# KiCad board FPGA_DevBoard.kicad_pcb (continued)
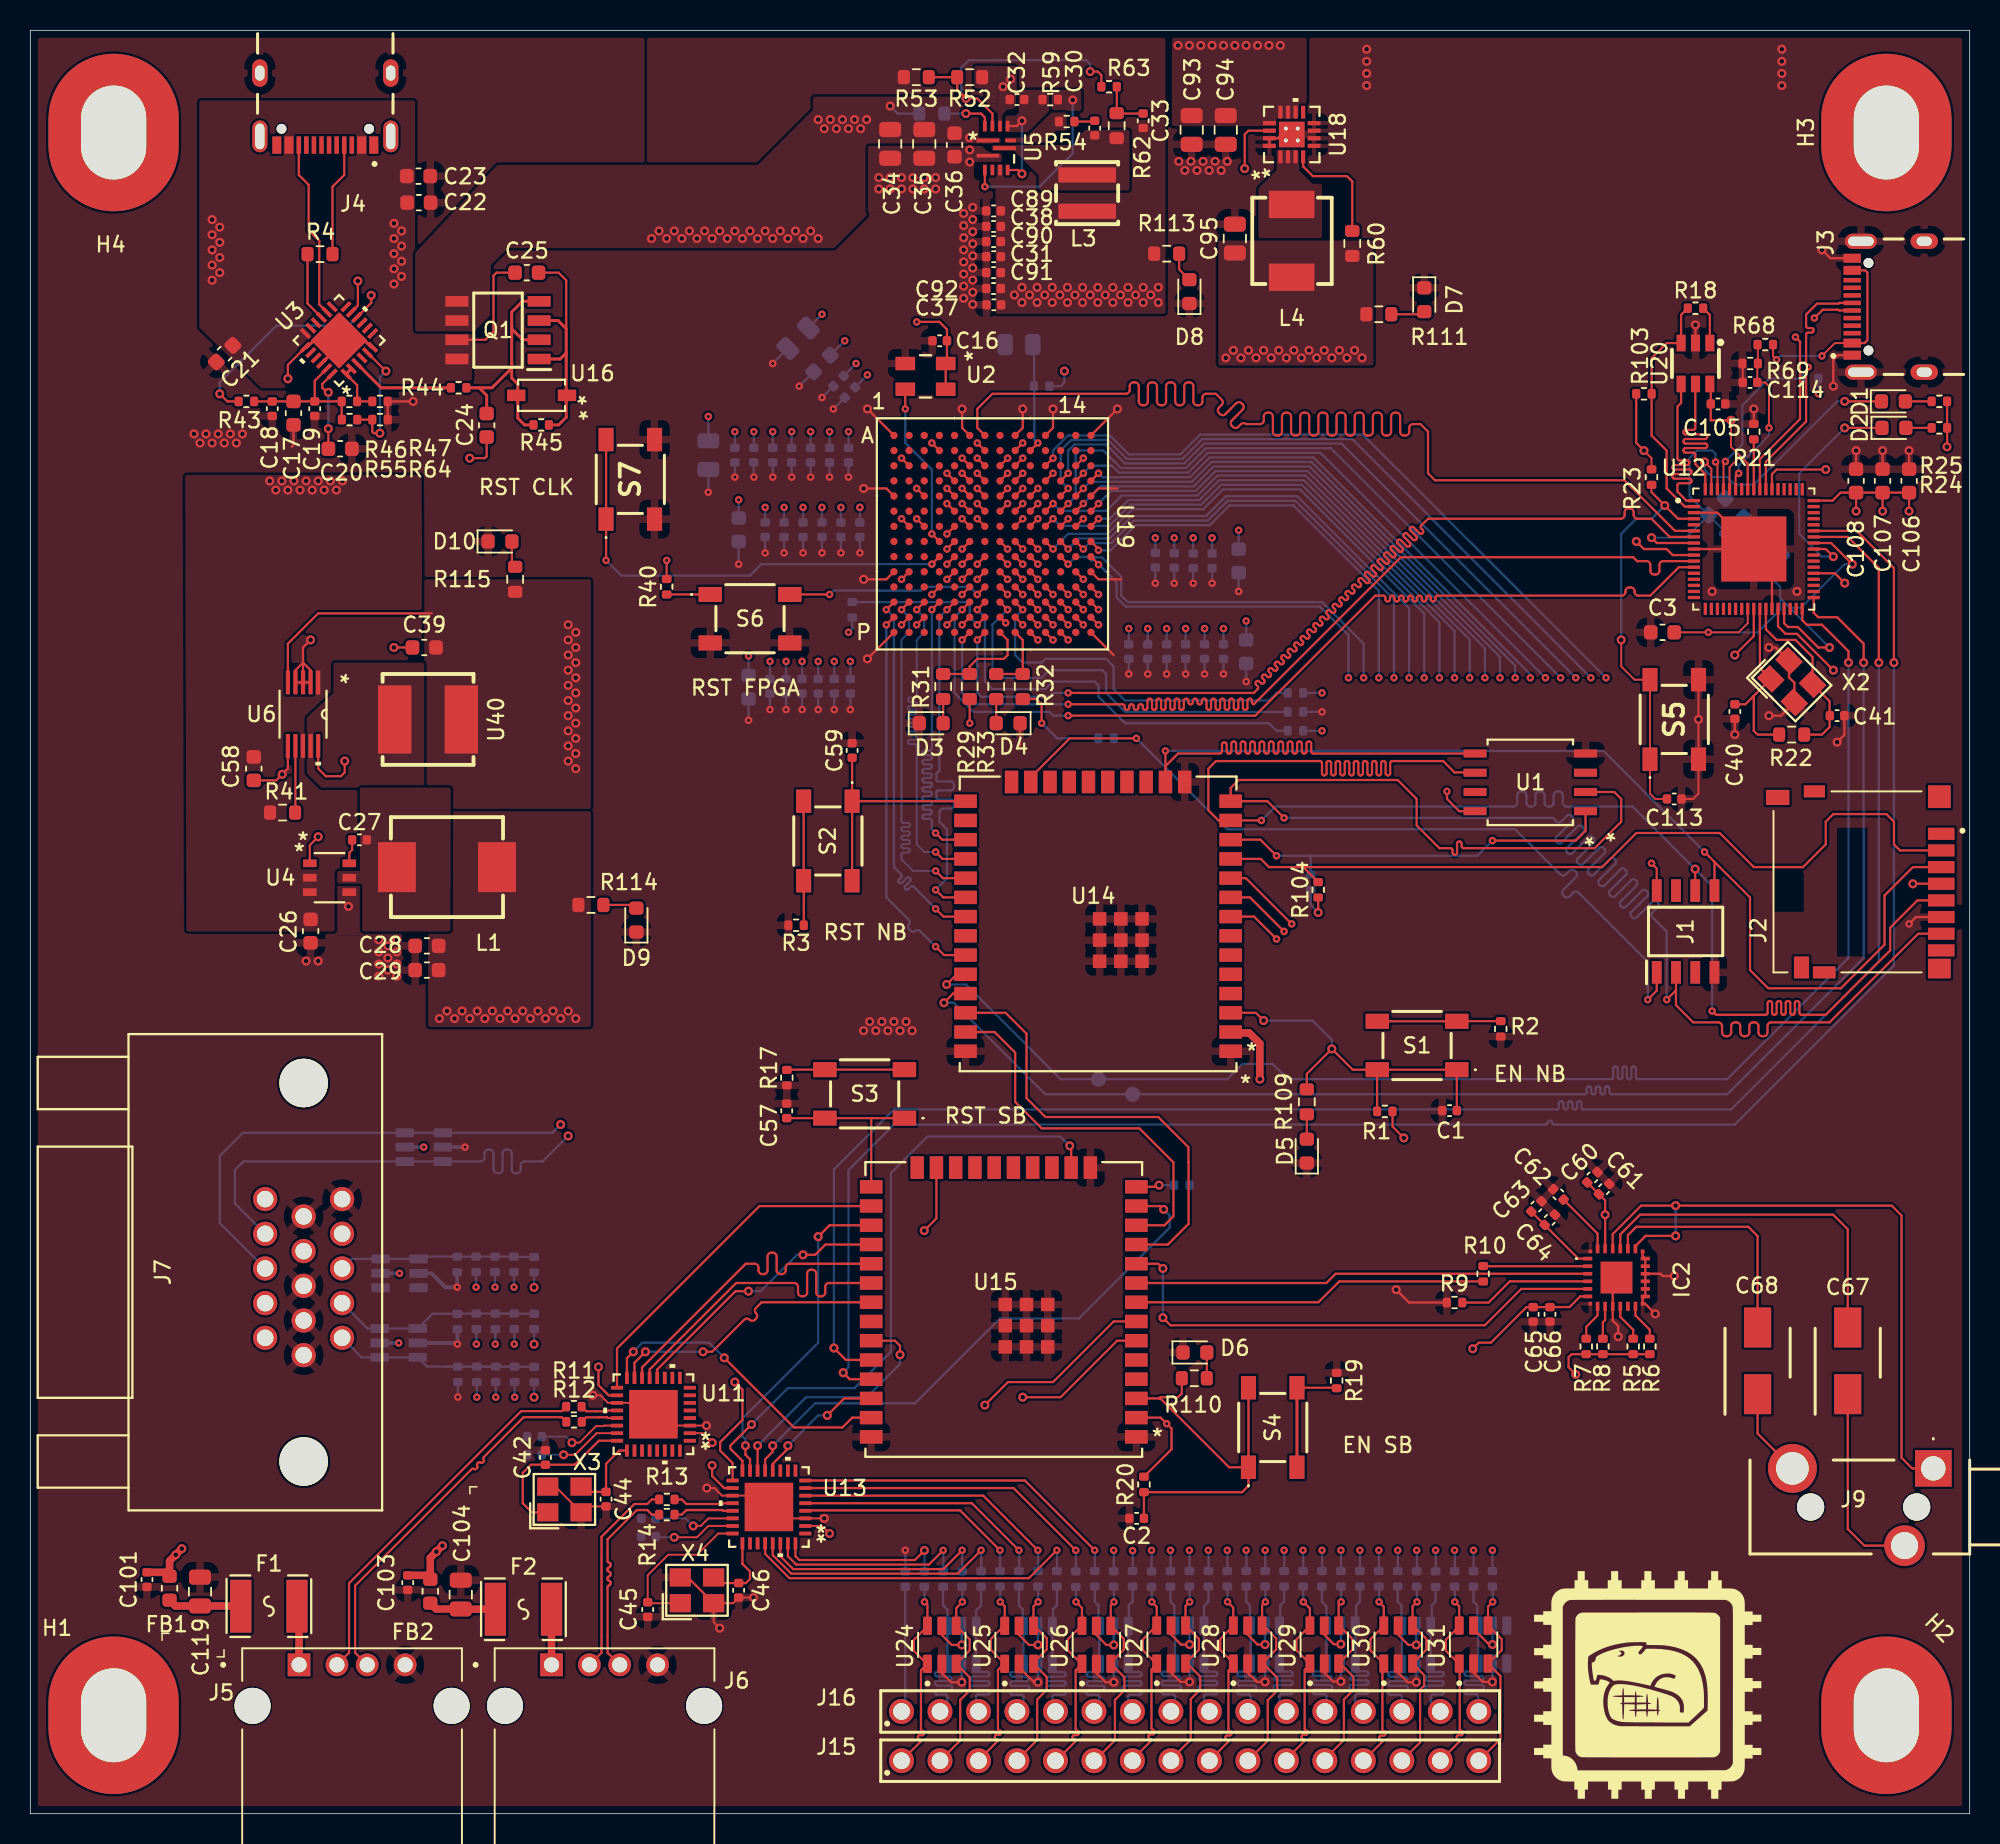
[diagram p0: board, top side]
## Routing (per net, layer and track width the routed paths; a pad name or vN(x,y) marks a point on that pad's centre or on a via; arc(x,y) is an arc through that point) (continued)
B2: length 90.4
  Top signal w0.15: U19.N11 v1(67.5,78.5)
  Top PWR w0.15: v1(31.92,34.77) 31.92,39.17 40.5,47.75 43.11,47.75 arc(43.2,47.79) 43.23,47.87 43.23,48.07 arc(43.27,48.15) 43.35,48.19 43.41,48.19 arc(43.5,48.15) 43.53,48.07 43.53,47.87 arc(43.57,47.79) 43.65,47.75 43.71,47.75 arc(43.8,47.79) 43.83,47.87 43.83,48.07 arc(43.87,48.15) 43.95,48.19 44.01,48.19 arc(44.1,48.15) 44.13,48.07 44.13,47.87 arc(44.17,47.79) 44.25,47.75 44.31,47.75 arc(44.4,47.79) 44.43,47.87 44.43,48.07 arc(44.47,48.15) 44.55,48.19 44.61,48.19 arc(44.7,48.15) 44.73,48.07 44.73,47.87 arc(44.77,47.79) 44.85,47.75 44.91,47.75 arc(45,47.79) 45.03,47.87 45.03,48.07 arc(45.07,48.15) 45.15,48.19 45.21,48.19 arc(45.3,48.15) 45.33,48.07 45.33,47.87 arc(45.37,47.79) 45.45,47.75 45.51,47.75 arc(45.6,47.79) 45.63,47.87 45.63,48.07 arc(45.67,48.15) 45.75,48.19 45.81,48.19 arc(45.9,48.15) 45.93,48.07 45.93,47.87 arc(45.97,47.79) 46.05,47.75 46.11,47.75 arc(46.2,47.79) 46.23,47.87 46.23,48.07 arc(46.27,48.15) 46.35,48.19 46.41,48.19 arc(46.5,48.15) 46.53,48.07 46.53,47.87 arc(46.57,47.79) 46.65,47.75 46.71,47.75 arc(46.8,47.79) 46.83,47.87 46.83,48.07 arc(46.87,48.15) 46.95,48.19 47.01,48.19 arc(47.1,48.15) 47.13,48.07 47.13,47.87 arc(47.17,47.79) 47.25,47.75 47.31,47.75 arc(47.4,47.79) 47.43,47.87 47.43,48.07 arc(47.47,48.15) 47.55,48.19 47.61,48.19 arc(47.7,48.15) 47.73,48.07 47.73,47.87 arc(47.77,47.79) 47.85,47.75 47.91,47.75 arc(48,47.79) 48.03,47.87 48.03,48.07 arc(48.07,48.15) 48.15,48.19 48.21,48.19 arc(48.3,48.15) 48.33,48.07 48.33,47.87 arc(48.37,47.79) 48.45,47.75 48.51,47.75 arc(48.6,47.79) 48.63,47.87 48.63,48.07 arc(48.67,48.15) 48.75,48.19 48.81,48.19 arc(48.9,48.15) 48.93,48.07 48.93,47.87 arc(48.97,47.79) 49.05,47.75 49.11,47.75 arc(49.2,47.79) 49.23,47.87 49.23,48.07 arc(49.27,48.15) 49.35,48.19 49.41,48.19 arc(49.5,48.15) 49.53,48.07 49.53,47.87 arc(49.57,47.79) 49.65,47.75 49.71,47.75 arc(49.8,47.79) 49.83,47.87 49.83,48.07 arc(49.87,48.15) 49.95,48.19 50.01,48.19 arc(50.1,48.15) 50.13,48.07 50.13,47.87 arc(50.17,47.79) 50.25,47.75 50.31,47.75 arc(50.4,47.79) 50.43,47.87 50.43,48.07 arc(50.47,48.15) 50.55,48.19 50.61,48.19 arc(50.7,48.15) 50.73,48.07 50.73,47.87 arc(50.77,47.79) 50.85,47.75 50.91,47.75 arc(51,47.79) 51.03,47.87 51.03,48.07 arc(51.07,48.15) 51.15,48.19 51.21,48.19 arc(51.3,48.15) 51.33,48.07 51.33,47.87 arc(51.37,47.79) 51.45,47.75 51.51,47.75 arc(51.6,47.79) 51.63,47.87 51.63,48.07 arc(51.67,48.15) 51.75,48.19 51.81,48.19 arc(51.9,48.15) 51.93,48.07 51.93,47.87 arc(51.97,47.79) 52.05,47.75 52.11,47.75 arc(52.2,47.79) 52.23,47.87 52.23,48.07 arc(52.27,48.15) 52.35,48.19 52.41,48.19 arc(52.5,48.15) 52.53,48.07 52.53,47.87 arc(52.57,47.79) 52.65,47.75 52.71,47.75 arc(52.8,47.79) 52.83,47.87 52.83,48.07 arc(52.87,48.15) 52.95,48.19 53.01,48.19 arc(53.1,48.15) 53.13,48.07 53.13,47.87 arc(53.17,47.79) 53.25,47.75 53.31,47.75 arc(53.4,47.79) 53.43,47.87 53.43,48.07 arc(53.47,48.15) 53.55,48.19 53.61,48.19 arc(53.7,48.15) 53.73,48.07 53.73,47.87 arc(53.77,47.79) 53.85,47.75 53.91,47.75 arc(54,47.79) 54.03,47.87 54.03,48.07 arc(54.07,48.15) 54.15,48.19 54.21,48.19 arc(54.3,48.15) 54.33,48.07 54.33,47.87 arc(54.37,47.79) 54.45,47.75 54.51,47.75 arc(54.6,47.79) 54.63,47.87 54.63,48.07 arc(54.67,48.15) 54.75,48.19 54.81,48.19 arc(54.9,48.15) 54.93,48.07 54.93,47.87 arc(54.97,47.79) 55.05,47.75 55.11,47.75 arc(55.2,47.79) 55.23,47.87 55.23,48.07 arc(55.27,48.15) 55.35,48.19 55.41,48.19 arc(55.5,48.15) 55.53,48.07 55.53,47.87 arc(55.57,47.79) 55.65,47.75 55.71,47.75 arc(55.8,47.79) 55.83,47.87 55.83,48.07 arc(55.87,48.15) 55.95,48.19 56.01,48.19 arc(56.1,48.15) 56.13,48.07 56.13,47.87 arc(56.17,47.79) 56.25,47.75 56.31,47.75 arc(56.4,47.79) 56.43,47.87 56.43,48.07 arc(56.47,48.15) 56.55,48.19 56.61,48.19 arc(56.7,48.15) 56.73,48.07 56.73,47.87 arc(56.77,47.79) 56.85,47.75 56.91,47.75 arc(57,47.79) 57.03,47.87 57.03,48.07 arc(57.07,48.15) 57.15,48.19 57.21,48.19 arc(57.3,48.15) 57.33,48.07 57.33,47.87 arc(57.37,47.79) 57.45,47.75 57.51,47.75 arc(57.6,47.79) 57.63,47.87 57.63,48.07 arc(57.67,48.15) 57.75,48.19 57.81,48.19 arc(57.9,48.15) 57.93,48.07 57.93,47.87 arc(57.97,47.79) 58.05,47.75 58.11,47.75 arc(58.2,47.79) 58.23,47.87 58.23,48.07 arc(58.27,48.15) 58.35,48.19 58.41,48.19 arc(58.5,48.15) 58.53,48.07 58.53,47.87 arc(58.57,47.79) 58.65,47.75 58.71,47.75 arc(58.8,47.79) 58.83,47.87 58.83,48.07 arc(58.87,48.15) 58.95,48.19 59.01,48.19 arc(59.1,48.15) 59.13,48.07 59.13,47.87 arc(59.17,47.79) 59.25,47.75 60.59,47.75 64,51.16 64,73 68,77 68,77.9 67.5,78.4 v1(67.5,78.5)
  Bottom signal w0.15: R36.1 v1(31.92,34.77)
B3: length 90.4
  Top signal w0.15: U19.P12 v1(68.5,77.5)
  Top PWR w0.15: v2(33.25,34.75) 33.25,40 40.25,47 60.9,47 64.75,50.85 64.75,53 arc(64.71,53.08) 64.63,53.12 64.42,53.12 arc(64.34,53.16) 64.3,53.24 64.3,53.3 arc(64.34,53.38) 64.42,53.42 64.63,53.42 arc(64.71,53.46) 64.75,53.54 64.75,53.6 arc(64.71,53.68) 64.63,53.72 64.42,53.72 arc(64.34,53.76) 64.3,53.84 64.3,53.9 arc(64.34,53.98) 64.42,54.02 64.63,54.02 arc(64.71,54.06) 64.75,54.14 64.75,54.2 arc(64.71,54.28) 64.63,54.32 64.42,54.32 arc(64.34,54.36) 64.3,54.44 64.3,54.5 arc(64.34,54.58) 64.42,54.62 64.63,54.62 arc(64.71,54.66) 64.75,54.74 64.75,54.8 arc(64.71,54.88) 64.63,54.92 64.42,54.92 arc(64.34,54.96) 64.3,55.04 64.3,55.1 arc(64.34,55.18) 64.42,55.22 64.63,55.22 arc(64.71,55.26) 64.75,55.34 64.75,55.4 arc(64.71,55.48) 64.63,55.52 64.42,55.52 arc(64.34,55.56) 64.3,55.64 64.3,55.7 arc(64.34,55.78) 64.42,55.82 64.63,55.82 arc(64.71,55.86) 64.75,55.94 64.75,56 arc(64.71,56.08) 64.63,56.12 64.42,56.12 arc(64.34,56.16) 64.3,56.24 64.3,56.3 arc(64.34,56.38) 64.42,56.42 64.63,56.42 arc(64.71,56.46) 64.75,56.54 64.75,56.6 arc(64.71,56.68) 64.63,56.72 64.42,56.72 arc(64.34,56.76) 64.3,56.84 64.3,56.9 arc(64.34,56.98) 64.42,57.02 64.63,57.02 arc(64.71,57.06) 64.75,57.14 64.75,57.2 arc(64.71,57.28) 64.63,57.32 64.42,57.32 arc(64.34,57.36) 64.3,57.44 64.3,57.5 arc(64.34,57.58) 64.42,57.62 64.63,57.62 arc(64.71,57.66) 64.75,57.74 64.75,57.8 arc(64.71,57.88) 64.63,57.92 64.42,57.92 arc(64.34,57.96) 64.3,58.04 64.3,58.1 arc(64.34,58.18) 64.42,58.22 64.63,58.22 arc(64.71,58.26) 64.75,58.34 64.75,58.4 arc(64.71,58.48) 64.63,58.52 64.42,58.52 arc(64.34,58.56) 64.3,58.64 64.3,58.7 arc(64.34,58.78) 64.42,58.82 64.63,58.82 arc(64.71,58.86) 64.75,58.94 64.75,59 arc(64.71,59.08) 64.63,59.12 64.42,59.12 arc(64.34,59.16) 64.3,59.24 64.3,59.3 arc(64.34,59.38) 64.42,59.42 64.63,59.42 arc(64.71,59.46) 64.75,59.54 64.75,59.6 arc(64.71,59.68) 64.63,59.72 64.42,59.72 arc(64.34,59.76) 64.3,59.84 64.3,59.9 arc(64.34,59.98) 64.42,60.02 64.63,60.02 arc(64.71,60.06) 64.75,60.14 64.75,60.2 arc(64.71,60.28) 64.63,60.32 64.42,60.32 arc(64.34,60.36) 64.3,60.44 64.3,60.5 arc(64.34,60.58) 64.42,60.62 64.63,60.62 arc(64.71,60.66) 64.75,60.74 64.75,60.8 arc(64.71,60.88) 64.63,60.92 64.42,60.92 arc(64.34,60.96) 64.3,61.04 64.3,61.1 arc(64.34,61.18) 64.42,61.22 64.63,61.22 arc(64.71,61.26) 64.75,61.34 64.75,61.4 arc(64.71,61.48) 64.63,61.52 64.42,61.52 arc(64.34,61.56) 64.3,61.64 64.3,61.7 arc(64.34,61.78) 64.42,61.82 64.63,61.82 arc(64.71,61.86) 64.75,61.94 64.75,62 arc(64.71,62.08) 64.63,62.12 64.42,62.12 arc(64.34,62.16) 64.3,62.24 64.3,62.3 arc(64.34,62.38) 64.42,62.42 64.63,62.42 arc(64.71,62.46) 64.75,62.54 64.75,62.6 arc(64.71,62.68) 64.63,62.72 64.42,62.72 arc(64.34,62.76) 64.3,62.84 64.3,62.9 arc(64.34,62.98) 64.42,63.02 64.63,63.02 arc(64.71,63.06) 64.75,63.14 64.75,63.2 arc(64.71,63.28) 64.63,63.32 64.42,63.32 arc(64.34,63.36) 64.3,63.44 64.3,63.5 arc(64.34,63.58) 64.42,63.62 64.63,63.62 arc(64.71,63.66) 64.75,63.74 64.75,63.8 arc(64.71,63.88) 64.63,63.92 64.42,63.92 arc(64.34,63.96) 64.3,64.04 64.3,64.1 arc(64.34,64.18) 64.42,64.22 64.63,64.22 arc(64.71,64.26) 64.75,64.34 64.75,64.4 arc(64.71,64.48) 64.63,64.52 64.42,64.52 arc(64.34,64.56) 64.3,64.64 64.3,64.7 arc(64.34,64.78) 64.42,64.82 64.63,64.82 arc(64.71,64.86) 64.75,64.94 64.75,65 arc(64.71,65.08) 64.63,65.12 64.42,65.12 arc(64.34,65.16) 64.3,65.24 64.3,65.3 arc(64.34,65.38) 64.42,65.42 64.63,65.42 arc(64.71,65.46) 64.75,65.54 64.75,65.6 arc(64.71,65.68) 64.63,65.72 64.42,65.72 arc(64.34,65.76) 64.3,65.84 64.3,65.9 arc(64.34,65.98) 64.42,66.02 64.63,66.02 arc(64.71,66.06) 64.75,66.14 64.75,66.2 arc(64.71,66.28) 64.63,66.32 64.42,66.32 arc(64.34,66.36) 64.3,66.44 64.3,66.5 arc(64.34,66.58) 64.42,66.62 64.63,66.62 arc(64.71,66.66) 64.75,66.74 64.75,66.8 arc(64.71,66.88) 64.63,66.92 64.42,66.92 arc(64.34,66.96) 64.3,67.04 64.3,67.1 arc(64.34,67.18) 64.42,67.22 64.63,67.22 arc(64.71,67.26) 64.75,67.34 64.75,67.4 arc(64.71,67.48) 64.63,67.52 64.42,67.52 arc(64.34,67.56) 64.3,67.64 64.3,67.7 arc(64.34,67.78) 64.42,67.82 64.63,67.82 arc(64.71,67.86) 64.75,67.94 64.75,68 arc(64.71,68.08) 64.63,68.12 64.42,68.12 arc(64.34,68.16) 64.3,68.24 64.3,68.3 arc(64.34,68.38) 64.42,68.42 64.63,68.42 arc(64.71,68.46) 64.75,68.54 64.75,68.6 arc(64.71,68.68) 64.63,68.72 64.42,68.72 arc(64.34,68.76) 64.3,68.84 64.3,68.9 arc(64.34,68.98) 64.42,69.02 64.63,69.02 arc(64.71,69.06) 64.75,69.14 64.75,69.2 arc(64.71,69.28) 64.63,69.32 64.42,69.32 arc(64.34,69.36) 64.3,69.44 64.3,69.5 arc(64.34,69.58) 64.42,69.62 64.63,69.62 arc(64.71,69.66) 64.75,69.74 64.75,73.25 68.5,77 v1(68.5,77.5)
  Bottom signal w0.15: R106.1 v2(33.25,34.75)
FPGA_TCK: length 89.6
  Top signal w0.15: U19.A7 62.5,91.5 62.5,92.75 63.5,93.75 72.32,93.75 arc(72.49,93.82) 72.56,93.99 72.56,94.27 arc(72.63,94.44) 72.8,94.51 72.92,94.51 arc(73.09,94.44) 73.16,94.27 73.16,93.23 arc(73.23,93.06) 73.4,92.99 73.52,92.99 arc(73.69,93.06) 73.76,93.23 73.76,94.27 arc(73.83,94.44) 74,94.51 74.12,94.51 arc(74.29,94.44) 74.36,94.27 74.36,93.23 arc(74.43,93.06) 74.6,92.99 74.72,92.99 arc(74.89,93.06) 74.96,93.23 74.96,94.27 arc(75.03,94.44) 75.2,94.51 75.32,94.51 arc(75.49,94.44) 75.56,94.27 75.56,93.23 arc(75.63,93.06) 75.8,92.99 75.92,92.99 arc(76.09,93.06) 76.16,93.23 76.16,94.27 arc(76.23,94.44) 76.4,94.51 76.52,94.51 arc(76.69,94.44) 76.76,94.27 76.76,93.23 arc(76.83,93.06) 77,92.99 77.12,92.99 arc(77.29,93.06) 77.36,93.23 77.36,93.51 arc(77.43,93.68) 77.6,93.75 78.25,93.75 78.64,93.36 arc(78.71,93.19) 78.64,93.02 78.44,92.83 arc(78.37,92.66) 78.44,92.49 78.53,92.4 arc(78.7,92.33) 78.87,92.4 79.6,93.13 arc(79.77,93.2) 79.94,93.13 80.02,93.05 arc(80.09,92.88) 80.02,92.71 79.29,91.98 arc(79.22,91.81) 79.29,91.64 79.38,91.56 arc(79.55,91.48) 79.72,91.56 79.91,91.75 arc(80.08,91.82) 80.25,91.75 81.17,91.75 arc(81.34,91.82) 81.41,91.99 81.41,92.27 arc(81.48,92.44) 81.65,92.51 81.77,92.51 arc(81.94,92.44) 82.01,92.27 82.01,91.23 arc(82.08,91.06) 82.25,90.99 82.37,90.99 arc(82.54,91.06) 82.61,91.23 82.61,92.27 arc(82.68,92.44) 82.85,92.51 82.97,92.51 arc(83.14,92.44) 83.21,92.27 83.21,91.23 arc(83.28,91.06) 83.45,90.99 83.57,90.99 arc(83.74,91.06) 83.81,91.23 83.81,92.27 arc(83.88,92.44) 84.05,92.51 84.17,92.51 arc(84.34,92.44) 84.41,92.27 84.41,91.23 arc(84.48,91.06) 84.65,90.99 84.77,90.99 arc(84.94,91.06) 85.01,91.23 85.01,92.27 arc(85.08,92.44) 85.25,92.51 85.37,92.51 arc(85.54,92.44) 85.61,92.27 85.61,91.23 arc(85.68,91.06) 85.85,90.99 85.97,90.99 arc(86.14,91.06) 86.21,91.23 86.21,92.27 arc(86.28,92.44) 86.45,92.51 86.57,92.51 arc(86.74,92.44) 86.81,92.27 86.81,91.23 arc(86.88,91.06) 87.05,90.99 87.17,90.99 arc(87.34,91.06) 87.41,91.23 87.41,92.27 arc(87.48,92.44) 87.65,92.51 87.77,92.51 arc(87.94,92.44) 88.01,92.27 88.01,91.23 arc(88.08,91.06) 88.25,90.99 88.37,90.99 arc(88.54,91.06) 88.61,91.23 88.61,92.27 arc(88.68,92.44) 88.85,92.51 88.97,92.51 arc(89.14,92.44) 89.21,92.27 89.21,91.23 arc(89.28,91.06) 89.45,90.99 89.57,90.99 arc(89.74,91.06) 89.81,91.23 89.81,92.27 arc(89.88,92.44) 90.05,92.51 90.17,92.51 arc(90.34,92.44) 90.41,92.27 90.41,91.23 arc(90.48,91.06) 90.65,90.99 90.77,90.99 arc(90.94,91.06) 91.01,91.23 91.01,91.51 arc(91.08,91.68) 91.25,91.75 91.75,91.75 92.25,91.25 92.25,88.5 92.71,88.04 105.21,88.04 108.55,84.7 U12.6
FPGA_TDI: length 78.5
  Top signal w0.15: U19.P7 v1(62.5,77.5) ; v1(68.5,74) 80.75,74 81.01,74.26 arc(81.05,74.35) 81.01,74.43 80.89,74.55 arc(80.86,74.64) 80.89,74.72 80.93,74.76 arc(81.02,74.8) 81.1,74.76 81.22,74.64 arc(81.31,74.61) 81.39,74.64 81.44,74.69 arc(81.47,74.77) 81.44,74.86 81.31,74.98 arc(81.28,75.06) 81.31,75.15 81.36,75.19 arc(81.44,75.22) 81.53,75.19 81.65,75.07 arc(81.73,75.03) 81.82,75.07 81.86,75.11 arc(81.9,75.19) 81.86,75.28 81.74,75.4 arc(81.7,75.49) 81.74,75.57 81.78,75.61 arc(81.87,75.65) 81.95,75.61 82.07,75.49 arc(82.16,75.46) 82.24,75.49 82.28,75.53 arc(82.32,75.62) 82.28,75.7 82.16,75.82 arc(82.13,75.91) 82.16,75.99 82.21,76.04 arc(82.29,76.07) 82.38,76.04 82.5,75.92 arc(82.58,75.88) 82.67,75.92 82.71,75.96 arc(82.74,76.04) 82.71,76.13 82.59,76.25 arc(82.55,76.33) 82.59,76.42 82.63,76.46 arc(82.71,76.5) 82.8,76.46 82.92,76.34 arc(83.01,76.31) 83.09,76.34 83.13,76.38 arc(83.17,76.47) 83.13,76.55 83.01,76.67 arc(82.98,76.76) 83.01,76.84 83.05,76.89 arc(83.14,76.92) 83.22,76.89 83.34,76.76 arc(83.43,76.73) 83.51,76.76 83.56,76.81 arc(83.59,76.89) 83.56,76.98 83.44,77.1 arc(83.4,77.18) 83.44,77.27 83.48,77.31 arc(83.56,77.35) 83.65,77.31 83.77,77.19 arc(83.85,77.15) 83.94,77.19 83.98,77.23 arc(84.02,77.32) 83.98,77.4 83.86,77.52 arc(83.83,77.61) 83.86,77.69 83.9,77.73 arc(83.99,77.77) 84.07,77.73 84.19,77.61 arc(84.28,77.58) 84.36,77.61 84.41,77.66 arc(84.44,77.74) 84.41,77.83 84.28,77.95 arc(84.25,78.03) 84.28,78.12 84.33,78.16 arc(84.41,78.19) 84.5,78.16 84.62,78.04 arc(84.7,78) 84.79,78.04 84.83,78.08 arc(84.87,78.16) 84.83,78.25 84.71,78.37 arc(84.67,78.46) 84.71,78.54 84.75,78.58 arc(84.84,78.62) 84.92,78.58 85.04,78.46 arc(85.13,78.43) 85.21,78.46 85.25,78.5 arc(85.29,78.59) 85.25,78.67 85.13,78.79 arc(85.1,78.88) 85.13,78.96 85.18,79.01 arc(85.26,79.04) 85.35,79.01 85.47,78.89 arc(85.55,78.85) 85.64,78.89 85.68,78.93 arc(85.71,79.01) 85.68,79.1 85.56,79.22 arc(85.52,79.3) 85.56,79.39 85.6,79.43 arc(85.68,79.47) 85.77,79.43 85.89,79.31 arc(85.98,79.28) 86.06,79.31 86.1,79.35 arc(86.14,79.44) 86.1,79.52 85.98,79.64 arc(85.95,79.73) 85.98,79.81 86.02,79.86 arc(86.11,79.89) 86.19,79.86 86.31,79.73 arc(86.4,79.7) 86.48,79.73 86.53,79.78 arc(86.56,79.86) 86.53,79.95 86.41,80.07 arc(86.37,80.15) 86.41,80.24 86.45,80.28 arc(86.53,80.31) 86.62,80.28 86.74,80.16 arc(86.82,80.12) 86.91,80.16 86.95,80.2 arc(86.99,80.29) 86.95,80.37 86.83,80.49 arc(86.8,80.58) 86.83,80.66 86.87,80.7 arc(86.96,80.74) 87.04,80.7 87.16,80.58 arc(87.25,80.55) 87.33,80.58 87.38,80.63 arc(87.41,80.71) 87.38,80.8 87.25,80.92 arc(87.22,81) 87.25,81.09 87.3,81.13 arc(87.38,81.16) 87.47,81.13 87.59,81.01 arc(87.67,80.97) 87.76,81.01 87.8,81.05 arc(87.83,81.13) 87.8,81.22 87.68,81.34 arc(87.64,81.43) 87.68,81.51 87.72,81.55 arc(87.81,81.59) 87.89,81.55 88.17,81.27 arc(88.24,81.24) 88.32,81.27 88.38,81.34 arc(88.41,81.41) 88.38,81.49 88.1,81.76 arc(88.07,81.85) 88.1,81.93 88.15,81.98 arc(88.23,82.01) 88.32,81.98 88.59,81.7 arc(88.67,81.67) 88.74,81.7 88.81,81.76 arc(88.84,81.84) 88.81,81.91 88.53,82.19 arc(88.49,82.27) 88.53,82.36 88.57,82.4 arc(88.65,82.44) 88.74,82.4 89.02,82.12 arc(89.09,82.09) 89.17,82.12 89.23,82.19 arc(89.26,82.26) 89.23,82.33 88.95,82.61 arc(88.92,82.7) 88.95,82.78 88.99,82.83 arc(89.08,82.86) 89.16,82.83 89.44,82.55 arc(89.52,82.52) 89.59,82.55 89.66,82.61 arc(89.69,82.68) 89.66,82.76 89.38,83.04 arc(89.34,83.12) 89.38,83.21 89.42,83.25 arc(89.5,83.28) 89.59,83.25 89.87,82.97 arc(89.94,82.94) 90.01,82.97 90.08,83.03 arc(90.11,83.11) 90.08,83.18 89.8,83.46 arc(89.77,83.55) 89.8,83.63 89.84,83.67 arc(89.93,83.71) 90.01,83.67 90.35,83.33 arc(90.44,83.3) 90.52,83.33 90.57,83.38 arc(90.6,83.46) 90.57,83.55 90.22,83.89 arc(90.19,83.97) 90.22,84.06 90.27,84.1 arc(90.35,84.13) 90.44,84.1 90.85,83.69 arc(90.93,83.65) 91.02,83.69 91.06,83.73 arc(91.1,83.81) 91.06,83.9 90.65,84.31 arc(90.61,84.4) 90.65,84.48 90.69,84.52 arc(90.78,84.56) 90.86,84.52 91.27,84.11 arc(91.36,84.08) 91.44,84.11 91.48,84.15 arc(91.52,84.24) 91.48,84.32 91.07,84.73 arc(91.04,84.82) 91.07,84.9 91.12,84.95 arc(91.2,84.98) 91.29,84.95 91.7,84.54 arc(91.78,84.5) 91.87,84.54 91.91,84.58 arc(91.94,84.66) 91.91,84.75 91.79,84.87 arc(91.75,84.95) 91.79,85.04 92.25,85.5 104.99,85.5 arc(105.16,85.57) 105.23,85.74 105.23,85.94 arc(105.3,86.11) 105.47,86.18 105.59,86.18 arc(105.76,86.11) 105.83,85.94 105.83,85.74 arc(105.9,85.57) 106.07,85.5 107,85.5 108.2,84.3 U12.7
  Bottom signal w0.15: v1(68.5,74) 67.5,74 67.25,73.75 62.75,73.75 62.5,74 v1(62.5,77.5)
FPGA_TDO: length 72.8
  Top signal w0.15: v1(68.5,73.25) 72.11,73.25 arc(72.19,73.21) 72.23,73.13 72.23,73.01 arc(72.27,72.92) 72.35,72.89 72.41,72.89 arc(72.49,72.92) 72.53,73.01 72.53,73.13 arc(72.57,73.21) 72.65,73.25 72.71,73.25 arc(72.79,73.21) 72.83,73.13 72.83,73.01 arc(72.87,72.92) 72.95,72.89 73.01,72.89 arc(73.09,72.92) 73.13,73.01 73.13,73.13 arc(73.17,73.21) 73.25,73.25 73.31,73.25 arc(73.39,73.21) 73.43,73.13 73.43,73.01 arc(73.47,72.92) 73.55,72.89 73.61,72.89 arc(73.69,72.92) 73.73,73.01 73.73,73.49 arc(73.77,73.58) 73.85,73.61 73.91,73.61 arc(73.99,73.58) 74.03,73.49 74.03,73.01 arc(74.07,72.92) 74.15,72.89 74.21,72.89 arc(74.29,72.92) 74.33,73.01 74.33,73.49 arc(74.37,73.58) 74.45,73.61 74.51,73.61 arc(74.59,73.58) 74.63,73.49 74.63,73.01 arc(74.67,72.92) 74.75,72.89 74.81,72.89 arc(74.89,72.92) 74.93,73.01 74.93,73.49 arc(74.97,73.58) 75.05,73.61 75.11,73.61 arc(75.19,73.58) 75.23,73.49 75.23,73.01 arc(75.27,72.92) 75.35,72.89 75.41,72.89 arc(75.49,72.92) 75.53,73.01 75.53,73.49 arc(75.57,73.58) 75.65,73.61 75.71,73.61 arc(75.79,73.58) 75.83,73.49 75.83,73.01 arc(75.87,72.92) 75.95,72.89 76.01,72.89 arc(76.09,72.92) 76.13,73.01 76.13,73.49 arc(76.17,73.58) 76.25,73.61 76.31,73.61 arc(76.39,73.58) 76.43,73.49 76.43,73.37 arc(76.47,73.29) 76.55,73.25 76.61,73.25 arc(76.69,73.29) 76.73,73.37 76.73,73.49 arc(76.77,73.58) 76.85,73.61 76.91,73.61 arc(76.99,73.58) 77.03,73.49 77.03,73.37 arc(77.07,73.29) 77.15,73.25 77.21,73.25 arc(77.29,73.29) 77.33,73.37 77.33,73.49 arc(77.37,73.58) 77.45,73.61 77.51,73.61 arc(77.59,73.58) 77.63,73.49 77.63,73.01 arc(77.67,72.92) 77.75,72.89 77.81,72.89 arc(77.89,72.92) 77.93,73.01 77.93,73.49 arc(77.97,73.58) 78.05,73.61 78.11,73.61 arc(78.19,73.58) 78.23,73.49 78.23,73.01 arc(78.27,72.92) 78.35,72.89 78.41,72.89 arc(78.49,72.92) 78.53,73.01 78.53,73.49 arc(78.57,73.58) 78.65,73.61 78.71,73.61 arc(78.79,73.58) 78.83,73.49 78.83,73.01 arc(78.87,72.92) 78.95,72.89 79.01,72.89 arc(79.09,72.92) 79.13,73.01 79.13,73.49 arc(79.17,73.58) 79.25,73.61 79.31,73.61 arc(79.39,73.58) 79.43,73.49 79.43,73.01 arc(79.47,72.92) 79.55,72.89 79.61,72.89 arc(79.69,72.92) 79.73,73.01 79.73,73.49 arc(79.77,73.58) 79.85,73.61 79.91,73.61 arc(79.99,73.58) 80.03,73.49 80.03,73.01 arc(80.07,72.92) 80.15,72.89 80.21,72.89 arc(80.29,72.92) 80.33,73.01 80.33,73.49 arc(80.37,73.58) 80.45,73.61 80.51,73.61 arc(80.59,73.58) 80.63,73.49 80.63,73.37 arc(80.67,73.29) 80.75,73.25 90.46,82.96 105.79,82.96 106.05,82.7 106.68,82.7 arc(106.85,82.63) 106.92,82.46 106.92,82.06 arc(106.99,81.89) 107.16,81.82 107.28,81.82 arc(107.45,81.89) 107.52,82.06 107.52,82.46 arc(107.59,82.63) 107.76,82.7 U12.11 ; U19.P6 v1(61.5,77.5)
  Bottom signal w0.15: v1(68.5,73.25) 62.25,73.25 61.5,74 v1(61.5,77.5)
FPGA_TMS: length 63.8
  Top signal w0.15: U12.12 108.8,82.3 106.92,80.42 106.12,80.42 arc(105.95,80.49) 105.88,80.66 105.88,80.72 arc(105.81,80.89) 105.64,80.96 105.52,80.96 arc(105.35,80.89) 105.28,80.72 105.28,80.66 arc(105.21,80.49) 105.04,80.42 92.86,80.42 arc(92.77,80.38) 92.74,80.3 92.74,80.16 arc(92.7,80.08) 92.62,80.04 92.56,80.04 arc(92.47,80.08) 92.44,80.16 92.44,80.3 arc(92.4,80.38) 92.32,80.42 92.26,80.42 arc(92.17,80.38) 92.14,80.3 92.14,80.16 arc(92.1,80.08) 92.02,80.04 91.96,80.04 arc(91.87,80.08) 91.84,80.16 91.84,80.3 arc(91.8,80.38) 91.72,80.42 91.66,80.42 arc(91.57,80.38) 91.54,80.3 91.54,80.16 arc(91.5,80.08) 91.42,80.04 91.36,80.04 arc(91.27,80.08) 91.24,80.16 91.24,80.3 arc(91.2,80.38) 91.12,80.42 91.06,80.42 arc(90.97,80.38) 90.94,80.3 90.94,80.16 arc(90.9,80.08) 90.82,80.04 90.76,80.04 arc(90.67,80.08) 90.64,80.16 90.64,80.3 arc(90.6,80.38) 90.52,80.42 90.46,80.42 arc(90.37,80.38) 90.34,80.3 90.34,80.16 arc(90.3,80.08) 90.22,80.04 90.16,80.04 arc(90.07,80.08) 90.04,80.16 90.04,80.3 arc(90,80.38) 89.92,80.42 89.86,80.42 arc(89.77,80.38) 89.74,80.3 89.74,80.16 arc(89.7,80.08) 89.62,80.04 89.56,80.04 arc(89.47,80.08) 89.44,80.16 89.44,80.3 arc(89.4,80.38) 89.32,80.42 88.77,80.42 80.85,72.5 v1(68.5,72.5) ; U19.M6 v1(61.5,79.5)
  Bottom signal w0.15: v1(61.5,79.5) 61,79 61,74 62.25,72.75 67.25,72.75 67.5,72.5 v1(68.5,72.5)
G0: length 90.4
  Top signal w0.15: U19.M11 v1(67.5,79.5)
  Top PWR w0.15: v1(29.44,31.01) 29.44,32.94 30.5,34 33.25,34 34,34.75 34,40.29 39.46,45.76 39.96,46.25 47.38,46.25 arc(47.46,46.29) 47.5,46.37 47.5,46.58 arc(47.53,46.66) 47.62,46.7 47.68,46.7 arc(47.76,46.66) 47.8,46.58 47.8,46.37 arc(47.83,46.29) 47.92,46.25 47.98,46.25 arc(48.06,46.29) 48.1,46.37 48.1,46.58 arc(48.13,46.66) 48.22,46.7 48.28,46.7 arc(48.36,46.66) 48.4,46.58 48.4,46.37 arc(48.43,46.29) 48.52,46.25 48.58,46.25 arc(48.66,46.29) 48.7,46.37 48.7,46.58 arc(48.73,46.66) 48.82,46.7 48.88,46.7 arc(48.96,46.66) 49,46.58 49,46.37 arc(49.03,46.29) 49.12,46.25 49.18,46.25 arc(49.26,46.29) 49.3,46.37 49.3,46.58 arc(49.33,46.66) 49.42,46.7 49.48,46.7 arc(49.56,46.66) 49.6,46.58 49.6,46.37 arc(49.63,46.29) 49.72,46.25 49.78,46.25 arc(49.86,46.29) 49.9,46.37 49.9,46.58 arc(49.93,46.66) 50.02,46.7 50.08,46.7 arc(50.16,46.66) 50.2,46.58 50.2,46.37 arc(50.23,46.29) 50.32,46.25 50.38,46.25 arc(50.46,46.29) 50.5,46.37 50.5,46.58 arc(50.53,46.66) 50.62,46.7 50.68,46.7 arc(50.76,46.66) 50.8,46.58 50.8,46.37 arc(50.83,46.29) 50.92,46.25 50.98,46.25 arc(51.06,46.29) 51.1,46.37 51.1,46.58 arc(51.13,46.66) 51.22,46.7 51.28,46.7 arc(51.36,46.66) 51.4,46.58 51.4,46.37 arc(51.43,46.29) 51.52,46.25 51.58,46.25 arc(51.66,46.29) 51.7,46.37 51.7,46.58 arc(51.73,46.66) 51.82,46.7 51.88,46.7 arc(51.96,46.66) 52,46.58 52,46.37 arc(52.03,46.29) 52.12,46.25 52.18,46.25 arc(52.26,46.29) 52.3,46.37 52.3,46.58 arc(52.33,46.66) 52.42,46.7 52.48,46.7 arc(52.56,46.66) 52.6,46.58 52.6,46.37 arc(52.63,46.29) 52.72,46.25 52.78,46.25 arc(52.86,46.29) 52.9,46.37 52.9,46.58 arc(52.93,46.66) 53.02,46.7 53.08,46.7 arc(53.16,46.66) 53.2,46.58 53.2,46.37 arc(53.23,46.29) 53.32,46.25 53.38,46.25 arc(53.46,46.29) 53.5,46.37 53.5,46.58 arc(53.53,46.66) 53.62,46.7 53.68,46.7 arc(53.76,46.66) 53.8,46.58 53.8,46.37 arc(53.83,46.29) 53.92,46.25 53.98,46.25 arc(54.06,46.29) 54.1,46.37 54.1,46.58 arc(54.13,46.66) 54.22,46.7 54.28,46.7 arc(54.36,46.66) 54.4,46.58 54.4,46.37 arc(54.43,46.29) 54.52,46.25 54.58,46.25 arc(54.66,46.29) 54.7,46.37 54.7,46.58 arc(54.73,46.66) 54.82,46.7 54.88,46.7 arc(54.96,46.66) 55,46.58 55,46.37 arc(55.03,46.29) 55.12,46.25 61.21,46.25 65.5,50.54 65.5,73.5 69,77 69,77.67 68.67,78 68.33,78 68,78.33 68,79 v1(67.5,79.5)